# KiCad board cyclic.kicad_pcb
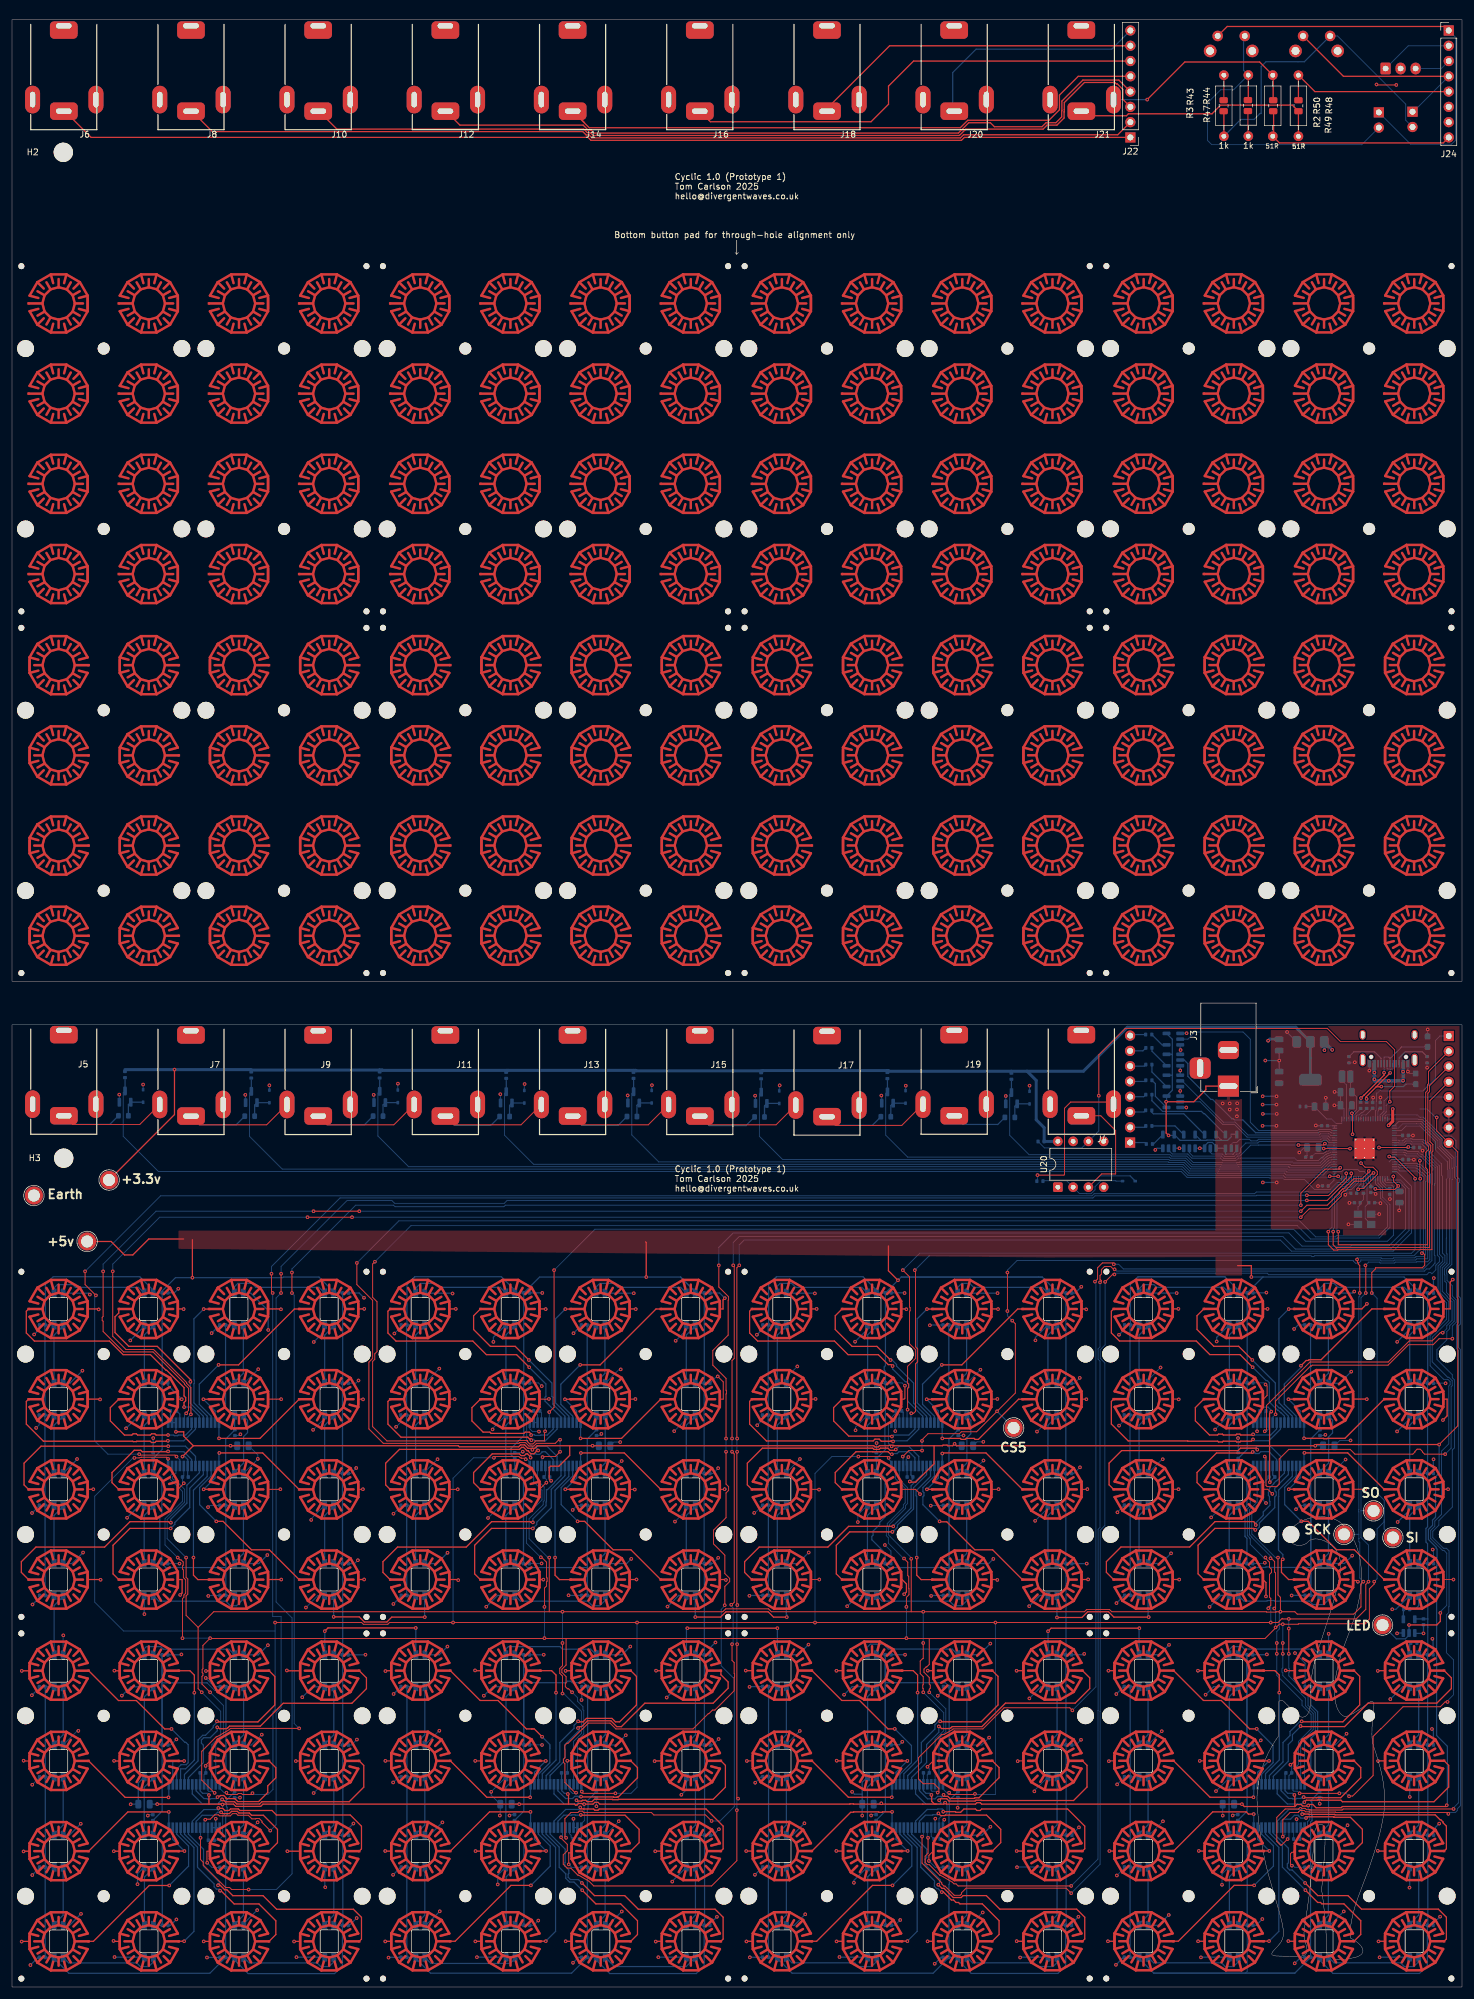
[diagram p0: board, top side]
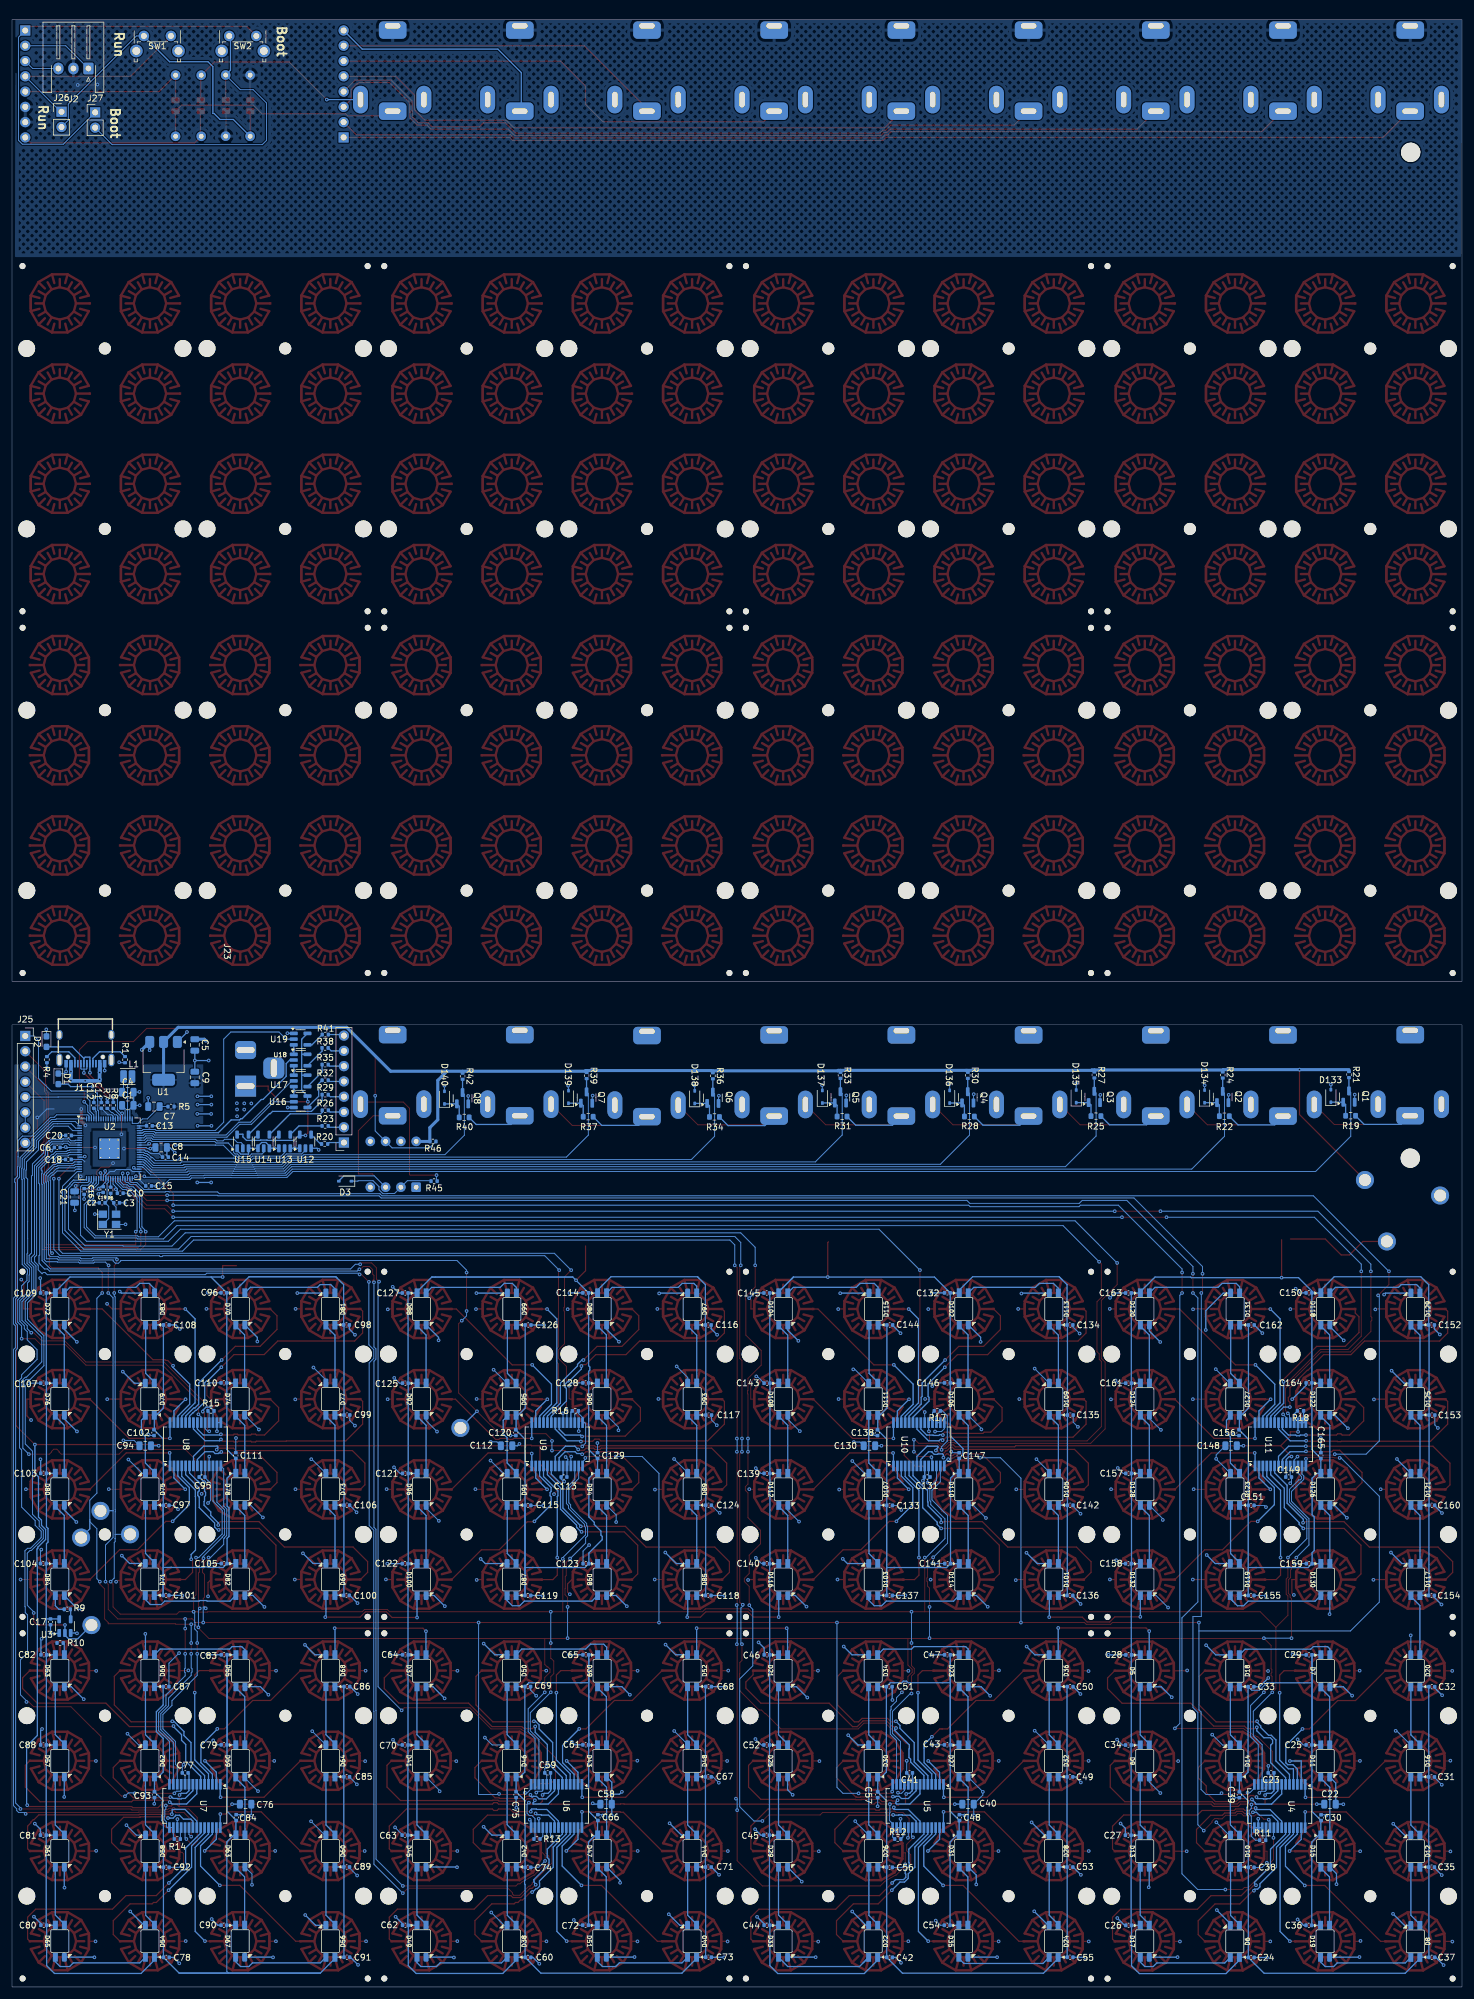
[diagram p1: board, bottom side, seen from below]

Outline 241.15 x 327.2 mm; copper layers: Top, In1.Cu, In2.Cu, Bottom. Coordinates in mm from the lower left corner of the outline.
Outline path: rectangle 0,327.2 241.15,167.2 ; rectangle 0,160 241.15,0
Stack: Top 0.035mm / dielectric 0.1mm FR4 er 4.5 / In1.Cu 0.035mm / dielectric 1.24mm FR4 er 4.5 / In2.Cu 0.035mm / dielectric 0.1mm FR4 er 4.5 / Bottom 0.035mm

## Placement (name value [footprint] x y rotation side)
C1  4.7u  [C_0805_2012Metric]  221.9 146.6 180 bottom
C2  15p  [C_0402_1005Metric]  226.15 130.4 0 bottom
C3  15p  [C_0402_1005Metric]  223.75 130.4 180 bottom
C4  4.7u  [C_0805_2012Metric]  221.9 148.8 180 bottom
C5  10u  [C_0805_2012Metric]  210.75 156.65 270 bottom
C6  100n  [C_0402_1005Metric]  233.63 139.6 0 bottom
C7  4.7u  [C_0805_2012Metric]  217.55 146.4 0 bottom
C8  4.7u  [C_0805_2012Metric]  216.35 139.6 180 bottom
C9  10u  [C_0805_2012Metric]  210.75 151.25 90 bottom
C10  100n  [C_0402_1005Metric]  223.15 132 180 bottom
C11  100n  [C_0402_1005Metric]  226.3 146.6 90 bottom
C12  100n  [C_0402_1005Metric]  227.55 146.6 90 bottom
C13  100n  [C_0402_1005Metric]  218.3 143.2 180 bottom
C14  100n  [C_0402_1005Metric]  215.63 138 180 bottom
C15  100n  [C_0402_1005Metric]  218.43 133.2 180 bottom
C16  100n  [C_0402_1005Metric]  229.15 132.28 270 bottom
C17  100n  [C_0402_1005Metric]  234.75 60.72 270 bottom
C18  100n  [C_0402_1005Metric]  231.78 137.6 0 bottom
C19  100n  [C_0402_1005Metric]  225.99 132.6 270 bottom
C20  100n  [C_0402_1005Metric]  231.75 141.6 0 bottom
C21  10u  [C_0805_2012Metric]  230.75 131.36 270 bottom
C22  10u  [C_0805_2012Metric]  21.95 30.4 180 bottom
C23  100n  [C_0402_1005Metric]  31.75 35.6 0 bottom
C24  100n  [C_0402_1005Metric]  35.05 4.9 180 bottom
C25  100n  [C_0402_1005Metric]  25.44 40.25 0 bottom
C26  100n  [C_0402_1005Metric]  55.44 10.25 0 bottom
C27  100n  [C_0402_1005Metric]  55.5 25.23 0 bottom
C28  100n  [C_0402_1005Metric]  55.43 55.23 0 bottom
C29  100n  [C_0402_1005Metric]  25.43 55.23 0 bottom
C30  100n  [C_0402_1005Metric]  23.42 28.16 90 bottom
C31  100n  [C_0402_1005Metric]  5.05 34.93 180 bottom
C32  100n  [C_0402_1005Metric]  5.02 49.93 180 bottom
C33  100n  [C_0402_1005Metric]  35.09 49.93 180 bottom
C34  100n  [C_0402_1005Metric]  55.48 40.23 0 bottom
C35  100n  [C_0402_1005Metric]  5.05 19.93 180 bottom
C36  100n  [C_0402_1005Metric]  25.47 10.25 0 bottom
C37  100n  [C_0402_1005Metric]  5.03 4.93 180 bottom
C38  100n  [C_0402_1005Metric]  35.05 19.88 180 bottom
C39  100n  [C_0402_1005Metric]  37.02 31.96 270 bottom
C40  10u  [C_0805_2012Metric]  82.15 30.4 180 bottom
C41  100n  [C_0402_1005Metric]  91.87 35.6 0 bottom
C42  100n  [C_0402_1005Metric]  95.2 4.91 180 bottom
C43  100n  [C_0402_1005Metric]  85.59 40.26 0 bottom
C44  100n  [C_0402_1005Metric]  115.59 10.26 0 bottom
C45  100n  [C_0402_1005Metric]  115.66 25.24 0 bottom
C46  100n  [C_0402_1005Metric]  115.58 55.24 0 bottom
C47  100n  [C_0402_1005Metric]  85.58 55.24 0 bottom
C48  100n  [C_0402_1005Metric]  83.58 28.17 90 bottom
C49  100n  [C_0402_1005Metric]  65.21 34.94 180 bottom
C50  100n  [C_0402_1005Metric]  65.17 49.94 180 bottom
C51  100n  [C_0402_1005Metric]  95.24 49.94 180 bottom
C52  100n  [C_0402_1005Metric]  115.63 40.24 0 bottom
C53  100n  [C_0402_1005Metric]  65.21 19.94 180 bottom
C54  100n  [C_0402_1005Metric]  85.62 10.26 0 bottom
C55  100n  [C_0402_1005Metric]  65.18 4.94 180 bottom
C56  100n  [C_0402_1005Metric]  95.21 19.89 180 bottom
C57  100n  [C_0402_1005Metric]  97.17 31.97 270 bottom
C58  10u  [C_0805_2012Metric]  142.35 30.4 180 bottom
C59  100n  [C_0402_1005Metric]  152.07 35.6 0 bottom
C60  100n  [C_0402_1005Metric]  155.34 4.92 180 bottom
C61  100n  [C_0402_1005Metric]  145.73 40.27 0 bottom
C62  100n  [C_0402_1005Metric]  175.73 10.26 0 bottom
C63  100n  [C_0402_1005Metric]  175.79 25.24 0 bottom
C64  100n  [C_0402_1005Metric]  175.72 55.24 0 bottom
C65  100n  [C_0402_1005Metric]  145.72 55.24 0 bottom
C66  100n  [C_0402_1005Metric]  143.71 28.17 90 bottom
C67  100n  [C_0402_1005Metric]  125.34 34.94 180 bottom
C68  100n  [C_0402_1005Metric]  125.31 49.94 180 bottom
C69  100n  [C_0402_1005Metric]  155.38 49.94 180 bottom
C70  100n  [C_0402_1005Metric]  175.77 40.24 0 bottom
C71  100n  [C_0402_1005Metric]  125.34 19.94 180 bottom
C72  100n  [C_0402_1005Metric]  145.76 10.27 0 bottom
C73  100n  [C_0402_1005Metric]  125.32 4.94 180 bottom
C74  100n  [C_0402_1005Metric]  155.34 19.89 180 bottom
C75  100n  [C_0402_1005Metric]  157.31 31.97 270 bottom
C76  10u  [C_0805_2012Metric]  202.3 30.4 180 bottom
C77  100n  [C_0402_1005Metric]  212.35 35.6 0 bottom
C78  100n  [C_0402_1005Metric]  215.49 4.92 180 bottom
C79  100n  [C_0402_1005Metric]  205.88 40.27 0 bottom
C80  100n  [C_0402_1005Metric]  235.88 10.27 0 bottom
C81  100n  [C_0402_1005Metric]  235.94 25.25 0 bottom
C82  100n  [C_0402_1005Metric]  235.87 55.25 0 bottom
C83  100n  [C_0402_1005Metric]  205.87 55.25 0 bottom
C84  100n  [C_0402_1005Metric]  203.86 28.18 90 bottom
C85  100n  [C_0402_1005Metric]  185.49 34.95 180 bottom
C86  100n  [C_0402_1005Metric]  185.46 49.95 180 bottom
C87  100n  [C_0402_1005Metric]  215.53 49.95 180 bottom
C88  100n  [C_0402_1005Metric]  235.92 40.25 0 bottom
C89  100n  [C_0402_1005Metric]  185.49 19.95 180 bottom
C90  100n  [C_0402_1005Metric]  205.91 10.27 0 bottom
C91  100n  [C_0402_1005Metric]  185.47 4.95 180 bottom
C92  100n  [C_0402_1005Metric]  215.49 19.9 180 bottom
C93  100n  [C_0402_1005Metric]  217.46 31.98 270 bottom
C94  10u  [C_0805_2012Metric]  219 90 0 bottom
C95  100n  [C_0402_1005Metric]  209.55 84.8 180 bottom
C96  100n  [C_0402_1005Metric]  205.91 115.44 0 bottom
C97  100n  [C_0402_1005Metric]  215.52 80.08 180 bottom
C98  100n  [C_0402_1005Metric]  185.52 110.09 180 bottom
C99  100n  [C_0402_1005Metric]  185.46 95.11 180 bottom
C100  100n  [C_0402_1005Metric]  185.53 65.11 180 bottom
C101  100n  [C_0402_1005Metric]  215.53 65.11 180 bottom
C102  100n  [C_0402_1005Metric]  217.53 92.18 270 bottom
C103  100n  [C_0402_1005Metric]  235.91 85.41 0 bottom
C104  100n  [C_0402_1005Metric]  235.94 70.41 0 bottom
C105  100n  [C_0402_1005Metric]  205.86 70.41 0 bottom
C106  100n  [C_0402_1005Metric]  185.48 80.11 180 bottom
C107  100n  [C_0402_1005Metric]  235.91 100.41 0 bottom
C108  100n  [C_0402_1005Metric]  215.49 110.08 180 bottom
C109  100n  [C_0402_1005Metric]  235.93 115.41 0 bottom
C110  100n  [C_0402_1005Metric]  205.91 100.46 0 bottom
C111  100n  [C_0402_1005Metric]  203.94 88.38 90 bottom
C112  10u  [C_0805_2012Metric]  158.9 90 0 bottom
C113  100n  [C_0402_1005Metric]  149.35 84.8 180 bottom
C114  100n  [C_0402_1005Metric]  145.74 115.42 0 bottom
C115  100n  [C_0402_1005Metric]  155.35 80.07 180 bottom
C116  100n  [C_0402_1005Metric]  125.35 110.08 180 bottom
C117  100n  [C_0402_1005Metric]  125.29 95.1 180 bottom
C118  100n  [C_0402_1005Metric]  125.36 65.1 180 bottom
C119  100n  [C_0402_1005Metric]  155.36 65.1 180 bottom
C120  100n  [C_0402_1005Metric]  157.37 92.17 270 bottom
C121  100n  [C_0402_1005Metric]  175.74 85.4 0 bottom
C122  100n  [C_0402_1005Metric]  175.77 70.4 0 bottom
C123  100n  [C_0402_1005Metric]  145.7 70.4 0 bottom
C124  100n  [C_0402_1005Metric]  125.31 80.1 180 bottom
C125  100n  [C_0402_1005Metric]  175.74 100.4 0 bottom
C126  100n  [C_0402_1005Metric]  155.32 110.07 180 bottom
C127  100n  [C_0402_1005Metric]  175.76 115.4 0 bottom
C128  100n  [C_0402_1005Metric]  145.74 100.45 0 bottom
C129  100n  [C_0402_1005Metric]  143.77 88.37 90 bottom
C130  10u  [C_0805_2012Metric]  98.55 90 0 bottom
C131  100n  [C_0402_1005Metric]  88.95 84.8 180 bottom
C132  100n  [C_0402_1005Metric]  85.59 115.42 0 bottom
C133  100n  [C_0402_1005Metric]  95.2 80.07 180 bottom
C134  100n  [C_0402_1005Metric]  65.2 110.08 180 bottom
C135  100n  [C_0402_1005Metric]  65.14 95.1 180 bottom
C136  100n  [C_0402_1005Metric]  65.21 65.1 180 bottom
C137  100n  [C_0402_1005Metric]  95.21 65.1 180 bottom
C138  100n  [C_0402_1005Metric]  97.22 92.17 270 bottom
C139  100n  [C_0402_1005Metric]  115.59 85.4 0 bottom
C140  100n  [C_0402_1005Metric]  115.62 70.4 0 bottom
C141  100n  [C_0402_1005Metric]  85.54 70.4 0 bottom
C142  100n  [C_0402_1005Metric]  65.16 80.1 180 bottom
C143  100n  [C_0402_1005Metric]  115.59 100.4 0 bottom
C144  100n  [C_0402_1005Metric]  95.17 110.07 180 bottom
C145  100n  [C_0402_1005Metric]  115.61 115.4 0 bottom
C146  100n  [C_0402_1005Metric]  85.59 100.45 0 bottom
C147  100n  [C_0402_1005Metric]  83.61 88.37 90 bottom
C148  10u  [C_0805_2012Metric]  38.4 90 0 bottom
C149  100n  [C_0402_1005Metric]  28.83 84.8 180 bottom
C150  100n  [C_0402_1005Metric]  25.45 115.42 0 bottom
C151  100n  [C_0402_1005Metric]  35.06 80.07 180 bottom
C152  100n  [C_0402_1005Metric]  5.06 110.08 180 bottom
C153  100n  [C_0402_1005Metric]  5 95.1 180 bottom
C154  100n  [C_0402_1005Metric]  5.07 65.1 180 bottom
C155  100n  [C_0402_1005Metric]  35.07 65.1 180 bottom
C156  100n  [C_0402_1005Metric]  37.08 92.17 270 bottom
C157  100n  [C_0402_1005Metric]  55.44 85.4 0 bottom
C158  100n  [C_0402_1005Metric]  55.48 70.4 0 bottom
C159  100n  [C_0402_1005Metric]  25.41 70.4 0 bottom
C160  100n  [C_0402_1005Metric]  5.02 80.1 180 bottom
C161  100n  [C_0402_1005Metric]  55.44 100.4 0 bottom
C162  100n  [C_0402_1005Metric]  35.03 110.07 180 bottom
C163  100n  [C_0402_1005Metric]  55.47 115.4 0 bottom
C164  100n  [C_0402_1005Metric]  25.44 100.45 0 bottom
C165  100n  [C_0402_1005Metric]  23.47 88.37 90 bottom
D1  ESD  [D_0603_1608Metric_Pad1.05x0.95mm_HandSolder]  233.45 151.01 270 bottom
D2  ESD  [D_0603_1608Metric_Pad1.05x0.95mm_HandSolder]  235.42 157.2 270 bottom
D3  1N4148W  [D_SOD-323]  185.75 134 0 bottom
D5  SK6812MINI-e (Reverse-mount)  [SK6812-MINI-E (From github)]  52.76 52.57 270 bottom
D6  SK6812MINI-e (Reverse-mount)  [SK6812-MINI-E (From github)]  37.78 7.58 90 bottom
D7  SK6812MINI-e (Reverse-mount)  [SK6812-MINI-E (From github)]  22.72 52.57 270 bottom
D8  SK6812MINI-e (Reverse-mount)  [SK6812-MINI-E (From github)]  7.76 7.58 90 bottom
D9  SK6812MINI-e (Reverse-mount)  [SK6812-MINI-E (From github)]  52.76 37.58 270 bottom
D10  SK6812MINI-e (Reverse-mount)  [SK6812-MINI-E (From github)]  37.75 22.58 90 bottom
D11  SK6812MINI-e (Reverse-mount)  [SK6812-MINI-E (From github)]  22.75 37.58 270 bottom
D12  SK6812MINI-e (Reverse-mount)  [SK6812-MINI-E (From github)]  7.76 22.58 90 bottom
D13  SK6812MINI-e (Reverse-mount)  [SK6812-MINI-E (From github)]  52.76 22.58 270 bottom
D14  SK6812MINI-e (Reverse-mount)  [SK6812-MINI-E (From github)]  37.78 37.58 90 bottom
D15  SK6812MINI-e (Reverse-mount)  [SK6812-MINI-E (From github)]  22.72 22.6 270 bottom
D16  SK6812MINI-e (Reverse-mount)  [SK6812-MINI-E (From github)]  7.76 37.58 90 bottom
D17  SK6812MINI-e (Reverse-mount)  [SK6812-MINI-E (From github)]  52.76 7.6 270 bottom
D18  SK6812MINI-e (Reverse-mount)  [SK6812-MINI-E (From github)]  37.78 52.58 90 bottom
D19  SK6812MINI-e (Reverse-mount)  [SK6812-MINI-E (From github)]  22.77 7.6 270 bottom
D20  SK6812MINI-e (Reverse-mount)  [SK6812-MINI-E (From github)]  7.76 52.58 90 bottom
D21  SK6812MINI-e (Reverse-mount)  [SK6812-MINI-E (From github)]  112.91 52.58 270 bottom
D22  SK6812MINI-e (Reverse-mount)  [SK6812-MINI-E (From github)]  97.93 7.59 90 bottom
D23  SK6812MINI-e (Reverse-mount)  [SK6812-MINI-E (From github)]  82.87 52.58 270 bottom
D24  SK6812MINI-e (Reverse-mount)  [SK6812-MINI-E (From github)]  67.91 7.59 90 bottom
D25  SK6812MINI-e (Reverse-mount)  [SK6812-MINI-E (From github)]  112.91 37.59 270 bottom
D26  SK6812MINI-e (Reverse-mount)  [SK6812-MINI-E (From github)]  97.9 22.59 90 bottom
D27  SK6812MINI-e (Reverse-mount)  [SK6812-MINI-E (From github)]  82.9 37.59 270 bottom
D28  SK6812MINI-e (Reverse-mount)  [SK6812-MINI-E (From github)]  67.91 22.59 90 bottom
D29  SK6812MINI-e (Reverse-mount)  [SK6812-MINI-E (From github)]  112.91 22.59 270 bottom
D30  SK6812MINI-e (Reverse-mount)  [SK6812-MINI-E (From github)]  97.93 37.59 90 bottom
D31  SK6812MINI-e (Reverse-mount)  [SK6812-MINI-E (From github)]  82.87 22.61 270 bottom
D32  SK6812MINI-e (Reverse-mount)  [SK6812-MINI-E (From github)]  67.91 37.59 90 bottom
D33  SK6812MINI-e (Reverse-mount)  [SK6812-MINI-E (From github)]  112.91 7.61 270 bottom
D34  SK6812MINI-e (Reverse-mount)  [SK6812-MINI-E (From github)]  97.93 52.59 90 bottom
D35  SK6812MINI-e (Reverse-mount)  [SK6812-MINI-E (From github)]  82.92 7.61 270 bottom
D36  SK6812MINI-e (Reverse-mount)  [SK6812-MINI-E (From github)]  67.91 52.59 90 bottom
D37  SK6812MINI-e (Reverse-mount)  [SK6812-MINI-E (From github)]  173.05 52.58 270 bottom
D38  SK6812MINI-e (Reverse-mount)  [SK6812-MINI-E (From github)]  158.07 7.59 90 bottom
D39  SK6812MINI-e (Reverse-mount)  [SK6812-MINI-E (From github)]  143.01 52.58 270 bottom
D40  SK6812MINI-e (Reverse-mount)  [SK6812-MINI-E (From github)]  128.05 7.59 90 bottom
D41  SK6812MINI-e (Reverse-mount)  [SK6812-MINI-E (From github)]  173.05 37.59 270 bottom
D42  SK6812MINI-e (Reverse-mount)  [SK6812-MINI-E (From github)]  158.04 22.59 90 bottom
D43  SK6812MINI-e (Reverse-mount)  [SK6812-MINI-E (From github)]  143.04 37.59 270 bottom
D44  SK6812MINI-e (Reverse-mount)  [SK6812-MINI-E (From github)]  128.05 22.59 90 bottom
D45  SK6812MINI-e (Reverse-mount)  [SK6812-MINI-E (From github)]  173.05 22.59 270 bottom
D46  SK6812MINI-e (Reverse-mount)  [SK6812-MINI-E (From github)]  158.07 37.59 90 bottom
D47  SK6812MINI-e (Reverse-mount)  [SK6812-MINI-E (From github)]  143.01 22.61 270 bottom
D48  SK6812MINI-e (Reverse-mount)  [SK6812-MINI-E (From github)]  128.05 37.59 90 bottom
D49  SK6812MINI-e (Reverse-mount)  [SK6812-MINI-E (From github)]  173.05 7.61 270 bottom
D50  SK6812MINI-e (Reverse-mount)  [SK6812-MINI-E (From github)]  158.07 52.59 90 bottom
D51  SK6812MINI-e (Reverse-mount)  [SK6812-MINI-E (From github)]  143.06 7.61 270 bottom
D52  SK6812MINI-e (Reverse-mount)  [SK6812-MINI-E (From github)]  128.05 52.59 90 bottom
D53  SK6812MINI-e (Reverse-mount)  [SK6812-MINI-E (From github)]  233.2 52.59 270 bottom
D54  SK6812MINI-e (Reverse-mount)  [SK6812-MINI-E (From github)]  218.22 7.6 90 bottom
D55  SK6812MINI-e (Reverse-mount)  [SK6812-MINI-E (From github)]  203.16 52.59 270 bottom
D56  SK6812MINI-e (Reverse-mount)  [SK6812-MINI-E (From github)]  188.2 7.6 90 bottom
D57  SK6812MINI-e (Reverse-mount)  [SK6812-MINI-E (From github)]  233.2 37.6 270 bottom
D58  SK6812MINI-e (Reverse-mount)  [SK6812-MINI-E (From github)]  218.19 22.6 90 bottom
D59  SK6812MINI-e (Reverse-mount)  [SK6812-MINI-E (From github)]  203.19 37.6 270 bottom
D60  SK6812MINI-e (Reverse-mount)  [SK6812-MINI-E (From github)]  188.2 22.6 90 bottom
D61  SK6812MINI-e (Reverse-mount)  [SK6812-MINI-E (From github)]  233.2 22.6 270 bottom
D62  SK6812MINI-e (Reverse-mount)  [SK6812-MINI-E (From github)]  218.22 37.6 90 bottom
D63  SK6812MINI-e (Reverse-mount)  [SK6812-MINI-E (From github)]  203.16 22.62 270 bottom
D64  SK6812MINI-e (Reverse-mount)  [SK6812-MINI-E (From github)]  188.2 37.6 90 bottom
D65  SK6812MINI-e (Reverse-mount)  [SK6812-MINI-E (From github)]  233.2 7.62 270 bottom
D66  SK6812MINI-e (Reverse-mount)  [SK6812-MINI-E (From github)]  218.22 52.6 90 bottom
D67  SK6812MINI-e (Reverse-mount)  [SK6812-MINI-E (From github)]  203.21 7.62 270 bottom
D68  SK6812MINI-e (Reverse-mount)  [SK6812-MINI-E (From github)]  188.2 52.6 90 bottom
D69  SK6812MINI-e (Reverse-mount)  [SK6812-MINI-E (From github)]  188.2 67.77 90 bottom
D70  SK6812MINI-e (Reverse-mount)  [SK6812-MINI-E (From github)]  203.18 112.76 270 bottom
D71  SK6812MINI-e (Reverse-mount)  [SK6812-MINI-E (From github)]  218.24 67.77 90 bottom
D72  SK6812MINI-e (Reverse-mount)  [SK6812-MINI-E (From github)]  233.2 112.76 270 bottom
D73  SK6812MINI-e (Reverse-mount)  [SK6812-MINI-E (From github)]  188.2 82.76 90 bottom
D74  SK6812MINI-e (Reverse-mount)  [SK6812-MINI-E (From github)]  203.21 97.76 270 bottom
D75  SK6812MINI-e (Reverse-mount)  [SK6812-MINI-E (From github)]  218.21 82.76 90 bottom
D76  SK6812MINI-e (Reverse-mount)  [SK6812-MINI-E (From github)]  233.2 97.76 270 bottom
D77  SK6812MINI-e (Reverse-mount)  [SK6812-MINI-E (From github)]  188.2 97.76 90 bottom
D78  SK6812MINI-e (Reverse-mount)  [SK6812-MINI-E (From github)]  203.18 82.76 270 bottom
D79  SK6812MINI-e (Reverse-mount)  [SK6812-MINI-E (From github)]  218.24 97.74 90 bottom
D80  SK6812MINI-e (Reverse-mount)  [SK6812-MINI-E (From github)]  233.2 82.76 270 bottom
D81  SK6812MINI-e (Reverse-mount)  [SK6812-MINI-E (From github)]  188.2 112.74 90 bottom
D82  SK6812MINI-e (Reverse-mount)  [SK6812-MINI-E (From github)]  203.18 67.76 270 bottom
D83  SK6812MINI-e (Reverse-mount)  [SK6812-MINI-E (From github)]  218.19 112.74 90 bottom
D84  SK6812MINI-e (Reverse-mount)  [SK6812-MINI-E (From github)]  233.2 67.76 270 bottom
D85  SK6812MINI-e (Reverse-mount)  [SK6812-MINI-E (From github)]  128.03 67.76 90 bottom
D86  SK6812MINI-e (Reverse-mount)  [SK6812-MINI-E (From github)]  143.01 112.75 270 bottom
D87  SK6812MINI-e (Reverse-mount)  [SK6812-MINI-E (From github)]  158.07 67.76 90 bottom
D88  SK6812MINI-e (Reverse-mount)  [SK6812-MINI-E (From github)]  173.03 112.75 270 bottom
D89  SK6812MINI-e (Reverse-mount)  [SK6812-MINI-E (From github)]  128.03 82.75 90 bottom
D90  SK6812MINI-e (Reverse-mount)  [SK6812-MINI-E (From github)]  143.04 97.75 270 bottom
D91  SK6812MINI-e (Reverse-mount)  [SK6812-MINI-E (From github)]  158.04 82.75 90 bottom
D92  SK6812MINI-e (Reverse-mount)  [SK6812-MINI-E (From github)]  173.03 97.75 270 bottom
D93  SK6812MINI-e (Reverse-mount)  [SK6812-MINI-E (From github)]  128.03 97.75 90 bottom
D94  SK6812MINI-e (Reverse-mount)  [SK6812-MINI-E (From github)]  143.01 82.75 270 bottom
D95  SK6812MINI-e (Reverse-mount)  [SK6812-MINI-E (From github)]  158.07 97.73 90 bottom
D96  SK6812MINI-e (Reverse-mount)  [SK6812-MINI-E (From github)]  173.03 82.75 270 bottom
D97  SK6812MINI-e (Reverse-mount)  [SK6812-MINI-E (From github)]  128.03 112.73 90 bottom
D98  SK6812MINI-e (Reverse-mount)  [SK6812-MINI-E (From github)]  143.01 67.75 270 bottom
D99  SK6812MINI-e (Reverse-mount)  [SK6812-MINI-E (From github)]  158.02 112.73 90 bottom
D100  SK6812MINI-e (Reverse-mount)  [SK6812-MINI-E (From github)]  173.03 67.75 270 bottom
D101  SK6812MINI-e (Reverse-mount)  [SK6812-MINI-E (From github)]  67.88 67.76 90 bottom
D102  SK6812MINI-e (Reverse-mount)  [SK6812-MINI-E (From github)]  82.86 112.75 270 bottom